# Altium PCB braking_io.PcbDoc (part 3 of 4)
Units mil, origin at the board's own origin, x right, y up, seen from the top; angles counter-clockwise.
Board outline 6000 x 3840 mil, 4 copper layers (Top Layer, GND, PWR, Bottom Layer), stack 61.7 mil thick; 450 components, 207 nets, 1137 pads, 398 vias.
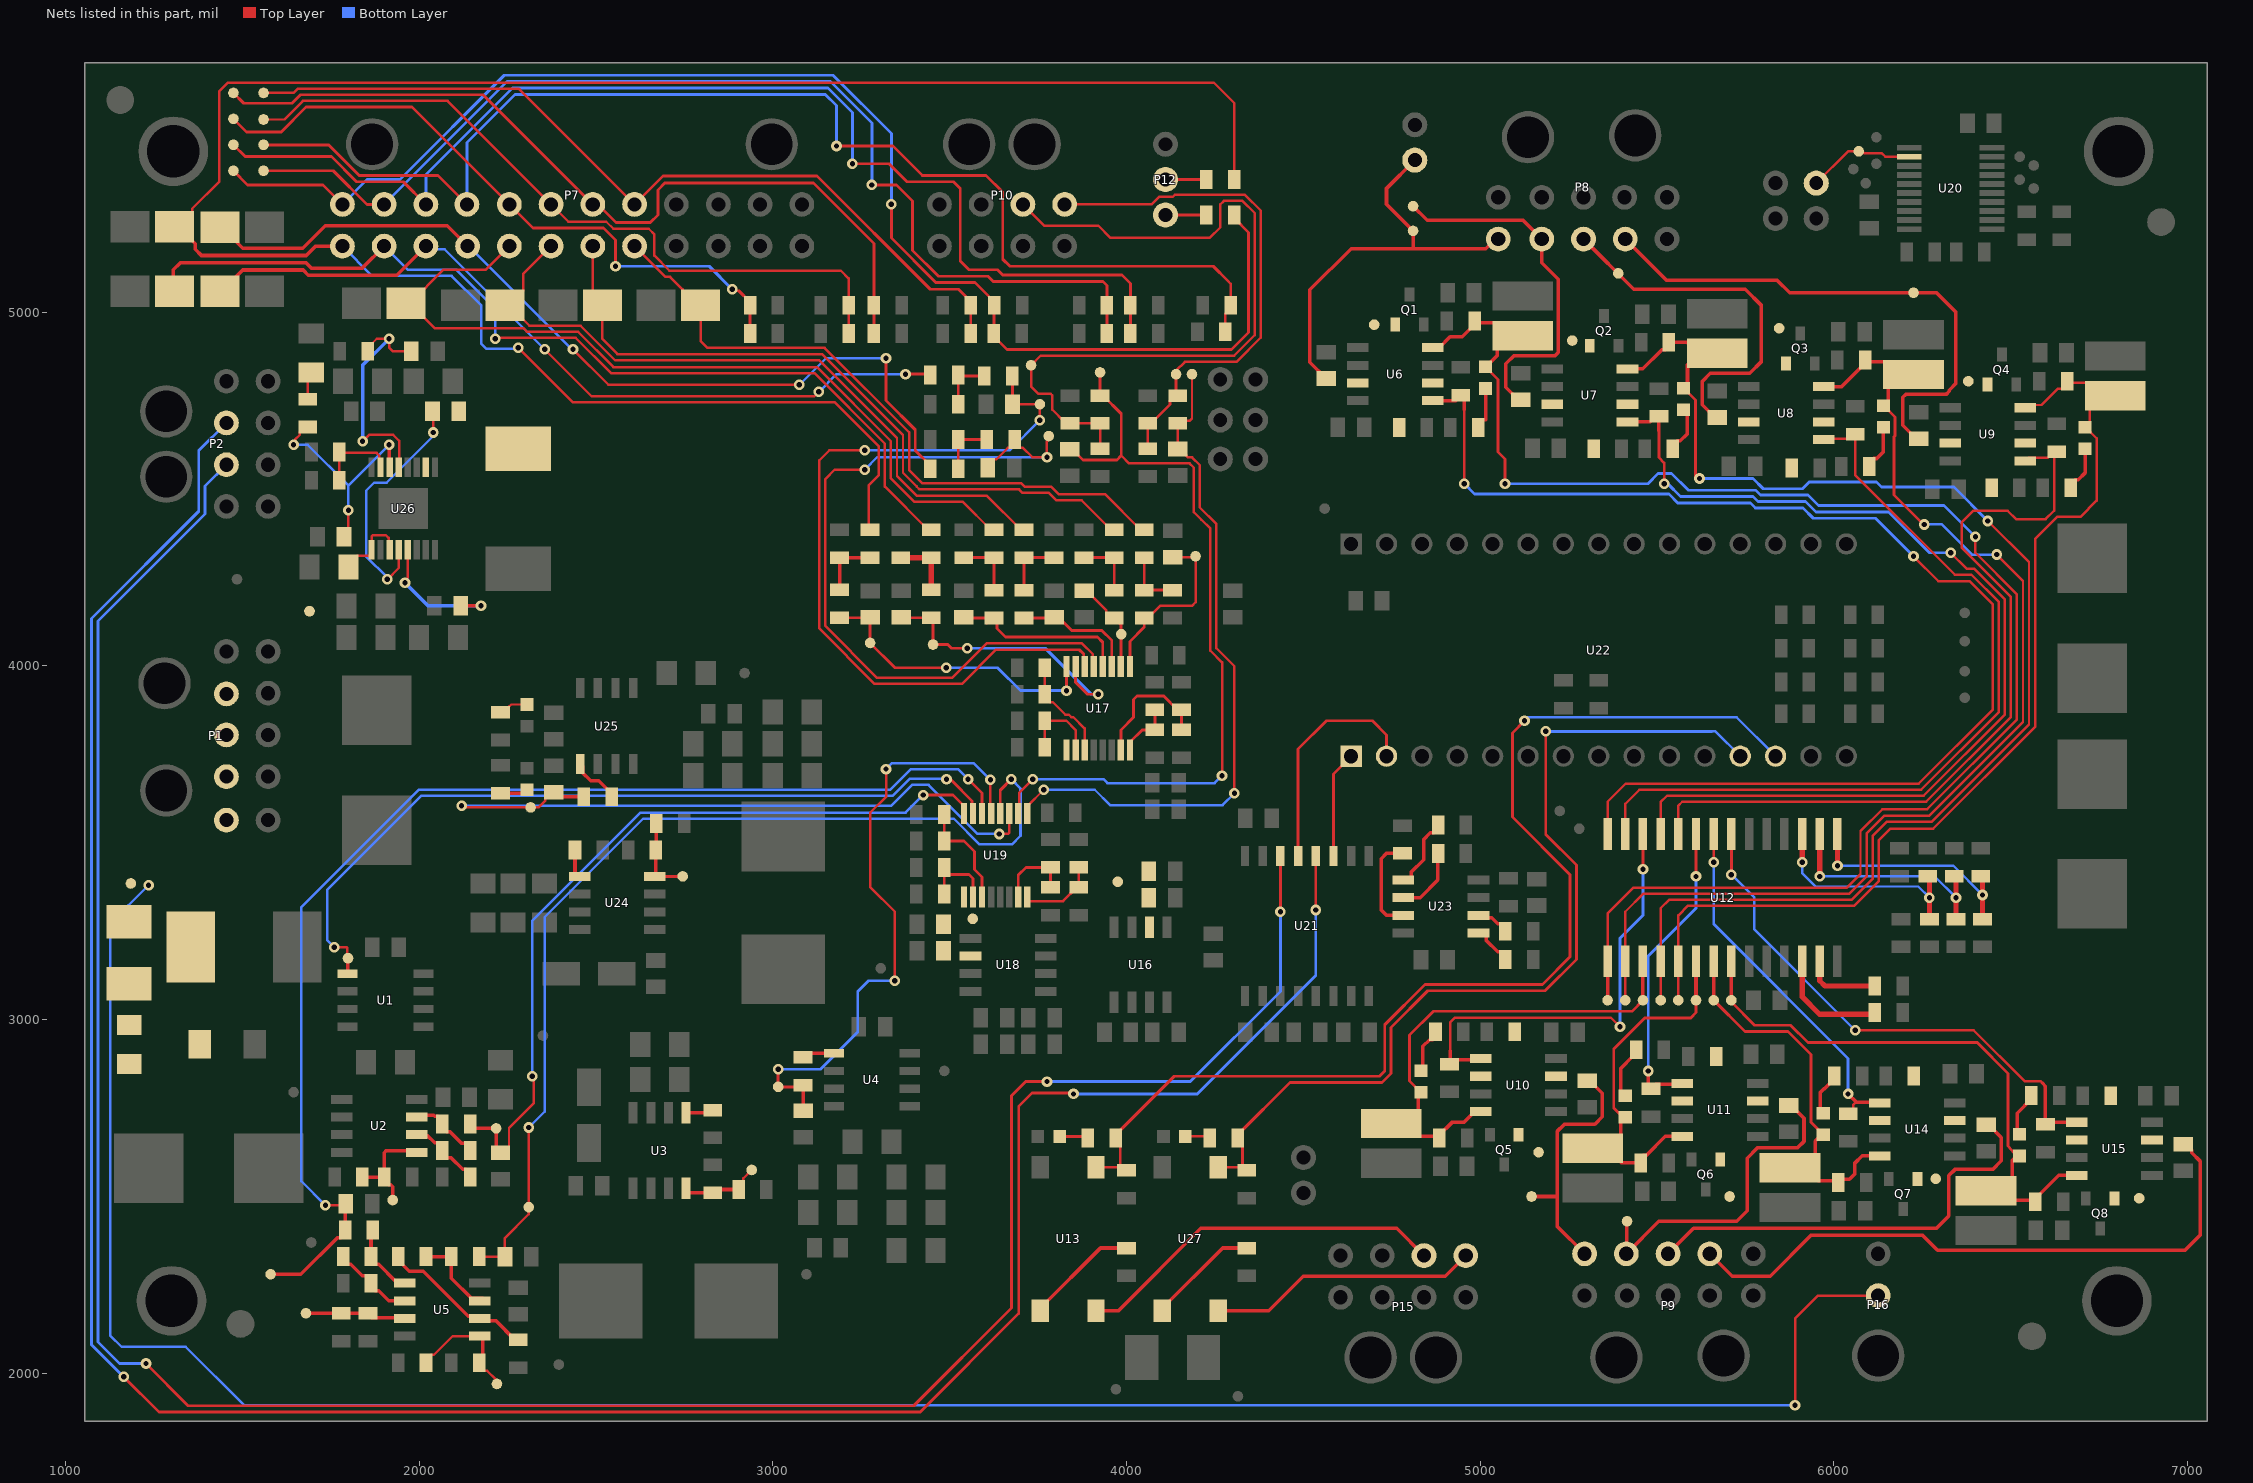
[diagram p5: the nets of this part, all layers, seen from the top]

## Via types
v1: diameter 30, hole 15, Top Layer to Bottom Layer, 398 vias

## Nets (pads, with @x,y where several pads share a name; then routed paths per layer and width w, separated by ;. In a path a pad name is that pad's centre, name@x,y a point inside that pad or via, vN(x,y) a via of type N, cw(c..) or ccw(c..) an arc to the next point about the centre after c; other vN are vias at no path point) (continued)
NetC95_2: C95.2 U26.13 | length 396.6
  Top Layer w7: v1(1960,4235) 1960,4241.22 1967.8,4249.02 U26.13@1967.8,4328.86
  Top Layer w10: C95.2@2117.4,4170 v1(2175,4170)
  Bottom Layer w10: v1(1960,4235) 2025,4170 v1(2175,4170)
NetC96_1: C96.1 L5.2 U26.2
NetC96_2: C96.2 U26.12 | length 697.4
  Top Layer w7: v1(1910,4245) 1942.2,4277.2 U26.12@1942.2,4328.86 ; C96.2@2037.6,4720 2040,4717.6 v1(2040,4660)
  Bottom Layer w7: v1(1910,4245) 1910,4250 1850,4310 1850,4495.31 1873.19,4518.5 1908.5,4518.5 2040,4650 v1(2040,4660)
NetC104_1: C104.1 R159.2 U26.5 | length 687.7
  Top Layer w7: v1(1840,4635) 1858.5,4653.5 1926.81,4653.5 1943.5,4636.81 1943.5,4562.44 U26.5@1942.2,4561.14 ; R159.2@1854.37,4890 1854.37,4899.37 1880,4925 v1(1915,4925) 1915,4900 1925,4890 C104.1@1977.6,4890
  Bottom Layer w10: v1(1840,4635) 1840,4850 v1(1915,4925)
NetC105_1: C105.1 R160.1 | length 79.7
  Top Layer w7: R160.1@1685,4754.37 1685,4819.88 C105.1@1695,4829.88
NetC106_1: C106.1 R160.2 U26.6 | length 652.1
  Top Layer w7: v1(1645,4625) 1649.4,4629.4 1649.4,4640.03 1662.43,4653.06 1662.43,4661.41 1676.65,4675.63 R160.2@1685,4675.63 ; C106.1@1787.4,4365 1800,4377.6 v1(1800,4440)
  Top Layer w10: v1(1915,4625) 1915.81,4624.19 1915.81,4561.95 U26.6@1916.61,4561.14
  Bottom Layer w7: v1(1645,4625) 1685,4625 1800,4510 ; v1(1800,4440) 1800,4510 ; v1(1915,4625) 1800,4510
NetC107_1: C107.1 U26.9 U26.11 | length 236.3
  Top Layer w7: C107.1@1807.92,4287.8 C107.1@1800.12,4280 1800.12,4286.89 1825.16,4311.93 1860.07,4311.93 1865.43,4317.29 U26.9@1865.43,4328.86 1865.43,4365.82 1869.53,4369.92 1905.47,4369.92 1913.38,4362.01 1913.38,4332.09 U26.11@1916.61,4328.86 U26.11@1913.38,4325.63
NetF1_2: F1.2 L2.1 R1.1
NetL1_1: L1.1 R1.2
NetLED1_1: LED1.1 R11.1 | length 78.7
  Top Layer w10: R11.1@2230,3640.63 2296.14,3640.63 LED1.1@2305,3649.49
NetLED2_2: LED2.2 R25.2 | length 123.6
  Top Layer w10: R25.2@4994.37,4675 4994.37,4683.86 5007.09,4696.57 5015.94,4696.57 LED2.2@5015.94,4784.49
NetLED3_2: LED3.2 R26.2 | length 131.5
  Top Layer w10: R26.2@5544.37,4615 5544.37,4623.86 5557.09,4636.57 5565.94,4636.57 5585,4655.63 LED3.2@5585,4724.49
NetLED4_2: LED4.2 R32.2 | length 131.5
  Top Layer w10: R32.2@6099.37,4565 6099.37,4573.86 6112.09,4586.57 6120.94,4586.57 6140,4605.63 LED4.2@6140,4674.49
NetLED5_2: LED5.2 R34.2 | length 131.5
  Top Layer w10: R34.2@6669.37,4505 6669.37,4513.86 6682.09,4526.57 6690.94,4526.57 6710,4545.63 LED5.2@6710,4614.49
NetLED6_2: LED6.2 R41.2 | length 131.5
  Top Layer w10: LED6.2@4837.83,2855.51 4837.83,2924.37 4856.89,2943.43 4865.75,2943.43 4878.46,2956.14 R41.2@4878.46,2965
NetLED7_2: LED7.2 R42.2 | length 131.3
  Top Layer w10: LED7.2@5397.83,2785.51 5397.83,2862.83 5430,2895 R42.2@5438.46,2895
NetLED8_2: LED8.2 R59.2 | length 126.3
  Top Layer w10: LED8.2@6517.83,2675.51 6517.83,2735.51 6558.46,2776.14 R59.2@6558.46,2785
NetLED9_2: LED9.2 R60.2 | length 127.4
  Top Layer w10: LED9.2@5960.67,2730.51 5960.67,2793.34 5972.59,2805.27 5974.44,2805.27 6001.3,2832.13 R60.2@6001.3,2840
NetLED10_1: LED10.1 R150.1 | length 87.6
  Top Layer w7: R150.1@2234.43,3864.94 R150.1@2253.07,3883.59 ; R150.1@2253.07,3883.59 2260.51,3891.02 LED10.1@2305,3891.02
  Top Layer w10: R150.1@2234.43,3864.94 R150.1@2238.86,3860.51
NetLED11_2: LED11.2 R167.2 | length 72
  Top Layer w7: LED11.2@4165.51,2670 4231.2,2670 R167.2@4235.63,2665.57
NetLED_2: LED.2 R164.2 | length 82
  Top Layer w8: LED.2@3810.51,2670 3886.2,2670 R164.2@3890.63,2665.57
NetP12_1: P12.1 R101.1 | length 115.6
  Top Layer w8: P12.1@4110,5275 R101.1@4225.63,5275
NetP12_2: P12.2 R102.1 | length 115.6
  Top Layer w8: P12.2@4110,5375 R102.1@4225.63,5375
NetQ1_1: Q1.1 R23.1 TP26.1 U6.6
NetQ2_1: Q2.1 R24.1 TP27.1 U7.6
NetQ3_1: Q3.1 R31.1 TP32.1 U8.6
NetQ4_1: Q4.1 R33.1 TP33.1 U9.6
NetQ5_1: Q5.1 R39.1 TP38.1 U10.6
NetQ6_1: Q6.1 R40.1 TP39.1 U11.6
NetQ7_1: Q7.1 R57.1 TP44.1 U14.6
NetQ8_1: Q8.1 R58.1 TP45.1 U15.6
NetR3_1: R3.1 R7.2 U2.2IN- | length 225
  Top Layer w10: U2.2IN-@1986.3,2680 1993.89,2672.41 2023.22,2672.41 2044.06,2651.57 2052.91,2651.57 2065.63,2638.86 R3.1@2065.63,2630 2065.63,2621.83 2078.35,2609.12 2090.25,2609.12 2122.8,2576.57 2131.65,2576.57 2144.37,2563.86 R7.2@2144.37,2555
NetR3_2: R3.2 R5.1 U2.20UT | length 214.7
  Top Layer w10: U2.20UT@1986.3,2730 2040.63,2730 2044.06,2726.57 2052.91,2726.57 2065.63,2713.86 R5.1@2065.63,2705 2065.63,2696.14 2078.35,2683.43 2087.2,2683.43 2119.75,2650.88 2131.65,2650.88 2144.37,2638.17 R3.2@2144.37,2630
NetR4_2: R4.2 R6.2 TP15.1 U2.2IN+ | length 296.1
  Top Layer w10: R4.2@1839.65,2555 R6.2@1901.26,2555 ; TP15.1@1925,2490 1925,2527.57 1919.14,2533.43 1913.98,2533.43 1901.26,2546.14 R6.2@1901.26,2555 ; U2.2IN+@1986.3,2630 1907.12,2630 1901.26,2624.14 R6.2@1901.26,2555
NetR9_2: R9.2 U3.5 | length 78.3
  Top Layer w10: U3.5@2755,2736.3 2821.93,2736.3 R9.2@2830,2744.37
NetR10_1: R10.1 R12.2 TP20.1 U3.4 | length 230.5
  Top Layer w7: R10.1@2903.13,2519.76 2916.52,2533.15 2916.52,2551.52 TP20.1@2940,2575
  Top Layer w10: U3.4@2755,2523.7 2755,2518.7 2762.8,2510.91 R12.2@2830,2510.91 2838.86,2519.76 R10.1@2903.13,2519.76
NetR13_1: R13.1 U4.5 | length 90.6
  Top Layer w10: R13.1@3086.5,2894.37 3097.13,2905 U4.5@3172.72,2905
NetR14_1: R14.1 R18.2 U5.1IN- | length 247.6
  Top Layer w10: R14.1@1785.12,2330 1785.12,2321.14 1797.83,2308.43 1806.69,2308.43 1839.24,2275.88 1851.14,2275.88 1863.86,2263.17 R18.2@1863.86,2255 1863.86,2246.14 1876.57,2233.43 1885.43,2233.43 1913.86,2205 U5.1IN-@1958.7,2205 U5.1IN-@1963.7,2210
NetR14_2: R14.2 R16.1 U5.OUT | length 223.4
  Top Layer w10: R16.1@1869.37,2405 1863.86,2399.49 R14.2@1863.86,2330 1863.86,2321.14 1876.57,2308.43 1885.43,2308.43 1934.05,2259.81 1968.89,2259.81 U5.OUT@1973.7,2255
NetR15_1: R15.1 R17.2 TP23.1 U5.1IN+ | length 299.9
  Top Layer w10: TP23.1@1680,2170 1779.37,2170 R15.1@1780,2169.37 R17.2@1855,2169.37 1867.72,2156.65 1943.35,2156.65 1945,2155 U5.1IN+@1958.7,2155 U5.1IN+@1973.7,2155
NetR44_1: R44.1 R50.2 U12.17 | length 627.5
  Top Layer w12: U12.17@5910,3480 U12.17@5910,3525
  Top Layer w15: v1(5910,3445) U12.17@5910,3480 ; R44.1@6265,3410.63 6270,3405.63 v1(6270,3345) R50.2@6270,3284.37
  Bottom Layer w7: v1(5910,3445) 5910,3414.7 5948.19,3376.5 6238.5,3376.5 v1(6270,3345)
NetR45_1: R45.1 R51.2 U12.16 | length 658.2
  Top Layer w12: U12.16@5960,3480 U12.16@5960,3525
  Top Layer w15: v1(5960,3405) U12.16@5960,3480 ; R45.1@6340,3410.63 6345,3405.63 v1(6345,3345) R51.2@6345,3284.37
  Bottom Layer w7: v1(5960,3405) 6285,3405 v1(6345,3345)
NetR46_1: R46.1 R52.2 U12.15 | length 662.5
  Top Layer w12: U12.15@6010,3480 U12.15@6010,3525
  Top Layer w15: v1(6010,3435) U12.15@6010,3480 ; R46.1@6415,3410.63 6420,3405.63 v1(6420,3352.5) R52.2@6420,3284.37
  Bottom Layer w7: v1(6010,3435) 6337.5,3435 v1(6420,3352.5)
NetR47_2: R47.2 U12.12 | length 338.4
  Top Layer w12: U12.12@5910,3120 U12.12@5910,3165
  Top Layer w15: U12.12@5910,3120 5910,3065 5960,3015 6120.63,3015 R47.2@6115.63,3020
NetR48_2: R48.2 U12.13 | length 256.6
  Top Layer w15: U12.13@5960,3165 U12.13@5960,3150 ; R48.2@6115.63,3095 5975,3095 5960,3110 U12.13@5960,3132 ; U12.13@5960,3132 5964.5,3127.5 5964.5,3154.5 U12.13@5960,3150 ; U12.13@5960,3132 U12.13@5960,3150
NetR69_1: R69.1 R73.1 R77.2 | length 177.7
  Top Layer w10: R73.1@3188.57,4215 R77.2@3188.57,4306.26 R69.1@3275,4306.26
NetR70_1: R70.1 R74.1 R78.2 | length 177.7
  Top Layer w15: R78.2@3361.43,4306.26 R70.1@3447.86,4306.26 R74.1@3447.86,4215
NetR71_1: R71.1 R75.1 R79.2 | length 157.5
  Top Layer w8: R79.2@3524.37,4740 R71.1@3524.37,4822.6 3526.97,4820 R75.1@3598.23,4820
NetR72_1: R72.1 R76.1 R80.2 | length 163
  Top Layer w8: R72.1@3524.37,4557.6 R80.2@3524.37,4640 R76.1@3605,4640
NetR89_1: R89.1 R93.1 R97.2 | length 176.9
  Top Layer w8: R97.2@3540,4306.26 R89.1@3625,4306.26 R93.1@3625,4214.37
NetR90_1: R90.1 R94.1 R98.2 | length 176.9
  Top Layer w8: R94.1@3710,4214.37 R90.1@3710,4306.26 R98.2@3795,4306.26
NetR91_1: R91.1 R95.1 R99.2 | length 176.9
  Top Layer w8: R99.2@3880,4306.26 R91.1@3965,4306.26 R95.1@3965,4214.37
NetR92_1: R92.1 R96.1 R100.2 | length 171.9
  Top Layer w8: R92.1@4050,4306.26 R96.1@4050,4214.37 R100.2@4130,4214.37
NetR108_1: R108.1 R112.1 U17.2 | length 229.5
  Top Layer w7: R112.1@3769.37,3770 R108.1@3769.37,3845 3830,3845 3856.02,3818.98 U17.2@3856.02,3761.89
NetR109_1: R109.1 R113.1 U17.3 | length 293.7
  Top Layer w7: R113.1@3769.37,3995 R109.1@3769.37,3920 3769.37,3911.65 3783.59,3897.43 3791.94,3897.43 3827.37,3862 3837.04,3862 3844.04,3855 3850,3855 3881.61,3823.39 U17.3@3881.61,3761.89
NetR110_1: R110.1 R114.2 U17.7 | length 369.7
  Top Layer w8: U17.7@3983.98,3761.89 3983.98,3818.98 4020,3855 4020,3905 4030,3915 4105,3915 4144.37,3875.63 R110.1@4155,3875.63 R114.2@4155,3819.37
NetR111_1: R111.1 R115.2 U17.8 | length 163.8
  Top Layer w8: U17.8@4009.57,3761.89 4009.57,3784.57 4044.37,3819.37 R115.2@4080,3819.37 R111.1@4080,3875.63
NetR117_1: R117.1 R121.1 U19.2 | length 221
  Top Layer w8: R121.1@3484.37,3355 R117.1@3484.37,3428.54 ; R117.1@3484.37,3430 R117.1@3484.37,3428.54 ; U19.2@3566.02,3346.89 3566.02,3398.98 3554.17,3410.83 3502.09,3410.83 R117.1@3484.37,3428.54
NetR118_1: R118.1 R122.1 U19.3 | length 310.1
  Top Layer w8: R122.1@3484.37,3580 R118.1@3484.37,3505 3540,3505 3570,3475 3570,3425 3591.61,3403.39 U19.3@3591.61,3346.89
NetR119_1: R119.1 R123.2 U19.7 | length 218.3
  Top Layer w8: U19.7@3693.98,3346.89 3693.98,3408.98 3715.63,3430.63 R123.2@3785,3430.63 R119.1@3785,3374.37
NetR120_1: R120.1 R124.2 U19.8 | length 229.9
  Top Layer w7: R120.1@3865,3374.37 R124.2@3865,3430.63
  Top Layer w8: U19.8@3719.57,3346.89 3719.57,3335 3820,3335 3859.37,3374.37 R120.1@3865,3374.37
NetR137_1: R137.1 U23.1 | length 209.2
  Top Layer w10: U23.1@4782.4,3395 4796.54,3395 4804.34,3402.8 4804.34,3416.94 4840,3452.6 4840,3509.37 4859.06,3528.43 4867.91,3528.43 4880.63,3541.14 R137.1@4880.63,3550
NetR138_1: R138.1 U23.2 | length 193.6
  Top Layer w10: U23.2@4782.4,3345 4830,3345 4880,3395 4880,3469.37 R138.1@4880.63,3470
NetR139_1: R139.1 U23.3 | length 279.8
  Top Layer w10: R139.1@4780,3470 4735,3470 4720,3455 4720,3310 4735,3295 U23.3@4782.4,3295
NetR140_2: R140.2 U23.6 | length 99.5
  Top Layer w10: U23.6@4995,3295 5001.95,3288.05 5032.58,3288.05 5049.06,3271.57 5057.91,3271.57 5070.63,3258.86 R140.2@5070.63,3250
NetR141_2: R141.2 U23.5 | length 120.2
  Top Layer w10: U23.5@4995,3245 5009.77,3245 5017.57,3237.2 5017.57,3223.06 5049.06,3191.57 5057.91,3191.57 5070.63,3178.86 R141.2@5070.63,3170
NetR148_2: R148.2 U24.5 | length 88
  Top Layer w10: R148.2@2440.63,3480 2440.63,3405 U24.5@2453.62,3405
NetR149_1: R149.1 R151.2 TP90.1 U24.4 | length 230.6
  Top Layer w8: U24.4@2666.22,3405 TP90.1@2745,3405
  Top Layer w10: U24.4@2666.22,3405 2669.37,3408.15 R151.2@2669.37,3480 2670.63,3481.26 R149.1@2670.63,3555
NetR152_1: R152.1 U25.5 | length 143.3
  Top Layer w10: U25.5@2455,3722.72 2461.81,3715.91 2461.81,3698.19 2485,3675 2508.23,3675 2544.37,3638.86 R152.1@2544.37,3630
NetR153_1: R153.1 R157.2 U5.2IN- | length 443.2
  Top Layer w10: R153.1@1940.63,2330 1940.63,2319.37 1971.57,2288.43 2011.57,2288.43 2138.39,2161.61 2179.69,2161.61 2192.02,2149.28 2216.24,2149.28 2271.14,2094.37 R157.2@2280,2094.37
NetR153_2: R153.2 R155.1 U5.2OUT | length 254.2
  Top Layer w10: R153.2@2019.37,2330 R155.1@2090.63,2330 2090.63,2269.37 2148.39,2211.61 2179.69,2211.61 U5.2OUT@2186.3,2205
NetR154_1: R154.1 R156.2 TP93.1 U5.2IN+ | length 372.4
  Top Layer w7: R156.2@2019.37,2030 2019.37,2038.35 2033.59,2052.57 2041.94,2052.57 2094.37,2105 U5.2IN+@2171.3,2105 U5.2IN+@2186.3,2105 ; R154.1@2170,2029.37 R154.1@2169.37,2030 2169.37,2021.65 2183.59,2007.43 2191.94,2007.43 2215.6,1983.77 2215.6,1974.4 TP93.1@2220,1970
  Top Layer w10: R154.1@2180,2024.88 2180,2098.7 U5.2IN+@2186.3,2105
NetR158_1: R158.1 R161.2 U26.7 | length 232.3
  Top Layer w7: R161.2@1774.37,4525 R158.1@1774.37,4605 1777.17,4602.2 1879.88,4602.2 1887.79,4594.29 1887.79,4564.37 U26.7@1891.02,4561.14
NetR162_2: R162.2 U13.1 | length 309.3
  Top Layer w10: U13.1@3756.26,2184.13 3926.5,2354.37 R162.2@3995,2354.37
NetR165_2: R165.2 U27.1 | length 316.1
  Top Layer w10: U27.1@4101.26,2177.24 4101.26,2184.13 4271.5,2354.37 R165.2@4340,2354.37
PS_EXC_0: P7.1 R61.1 R62.1 R101.2 TP46.1 | length 3979.9
  Top Layer w8: TP46.1@1475,5400 1515,5360 1728,5360 P7.1@1783,5305 ; v1(3335,5305) 3335,5209.54 3460.54,5084 3571.12,5084 3626.26,5028.86 R61.1@3626.26,5020 ; R62.1@3625,4940 3625,4931.14 3661.72,4894.43 4296.59,4894.43 4345,4942.83 4345,5225.51 4304.37,5266.14 R101.2@4304.37,5275 ; R62.1@3625.63,4942.77 R61.1@3625.63,5020
  Bottom Layer w8: P7.1@1783,5305 1853,5375 1945.54,5375 2240.54,5670 3170.46,5670 3335,5505.46 v1(3335,5305)
PS_EXC_1: P7.2 R63.1 R64.1 TP47.1 | length 3126.3
  Top Layer w8: TP47.1@1560,5400 1757.3,5400 1852.3,5305 P7.2@1901,5305 ; v1(3280,5360) 3350,5360 3395,5315 3395,5175 3468,5102 3608,5102 3623,5087 3933,5087 3944.37,5075.63 R63.1@3944.37,5020 R64.1@3944.37,4940
  Bottom Layer w8: P7.2@1901,5305 2248,5652 3163,5652 3280,5535 v1(3280,5360)
PS_EXC_2: P7.3 R65.1 R66.1 TP48.1 | length 3365.6
  Top Layer w8: TP48.1@1475,5473.33 1508.33,5440 1752.09,5440 1823.09,5369 1955,5369 P7.3@2019,5305 ; v1(3225,5420) 3328.12,5420 3379.12,5369 3511,5369 3530,5350 3530,5145 3555,5120 3635,5120 3650,5105 3987.26,5105 4011.26,5081 R66.1@4011.26,4940.71
  Bottom Layer w8: P7.3@2019,5305 2019,5389 2264,5634 3155.54,5634 3225,5564.54 v1(3225,5420)
PS_EXC_3: P7.4 R67.1 R68.1 TP49.1 | length 3576.9
  Top Layer w7: R68.1@4279.37,4945 4279.37,4996.14 4294.37,5011.14 R67.1@4294.37,5020 4294.37,5080.63 4285,5090
  Top Layer w8: TP49.1@1560,5473.33 1744.22,5473.33 1830.55,5387 2053,5387 P7.4@2135,5305 ; v1(3180,5470) 3339.62,5470 3422.62,5387 3603,5387 3650,5340 3650,5150 3670,5130 4245,5130 4285,5090
  Bottom Layer w8: P7.4@2135,5305 2135,5479.54 2271.46,5616 3148.09,5616 3180,5584.09 v1(3180,5470)
PS_EXC_4: P7.5 R81.1 R82.1 TP54.1 | length 1865.6
  Top Layer w8: TP54.1@1475,5546.67 1511.67,5510 1610,5510 1680,5580 1980,5580 P7.5@2255,5305 2322,5238 2521.54,5238 2555,5204.54 v1(2555,5130) ; v1(2885,5065) 2889.21,5060.79 2903.7,5060.79 2935.63,5028.86 R81.1@2935.63,5020 R82.1@2935.63,4940
  Bottom Layer w8: v1(2555,5130) 2820,5130 v1(2885,5065)
PS_EXC_5: P7.6 R83.1 R84.1 TP55.1 | length 2074.8
  Top Layer w7: TP55.1@1560,5545 1619,5545 1671.5,5597.5 2080.5,5597.5 P7.6@2373,5305 2422,5256 2529,5256 2549,5236 2649,5236 2665,5220 2665,5160 2707,5118 3192,5118 3214.37,5095.63 R83.1@3214.37,5020 R84.1@3214.37,4940
PS_EXC_6: P7.7 R85.1 R86.1 TP56.1 | length 2394.9
  Top Layer w8: TP56.1@1475,5620 1504,5591 1640.25,5591 1664.25,5615 2181,5615 P7.7@2491,5305 2505.46,5305 2556.96,5253.5 2653.5,5253.5 2675,5275 2675,5345.54 2694.46,5365 3115,5365 3285.63,5194.37 R85.1@3285.63,5020 R86.1@3285.63,4940
PS_EXC_7: P7.8 R87.1 R88.1 TP57.1 | length 2410.8
  Top Layer w7: TP57.1@1560,5620 1644.5,5620 1657,5632.5 2281.5,5632.5 2284,5630
  Top Layer w8: 2284,5630 P7.8@2609,5305 2689,5385 3125,5385 3445,5065 3525,5065 3559.37,5030.63 R87.1@3559.37,5020 R88.1@3559.37,4940
PS_RTN_0: D10.2 P7.13 R69.2 R102.2 | length 6146.7
  Top Layer w7: D10.2@1307.99,5242.4 1317.23,5242.4 1358.22,5283.39 1358.22,5292.63 1435,5369.41 1435,5625.25 1459.25,5649.5 4246.46,5649.5 4304.37,5591.59 R102.2@4304.37,5375 ; v1(2280,4900) 2435,4745 3175.55,4745 3300,4620.55 3300,4540 3270.57,4510.57 R69.2@3270.57,4385
  Top Layer w10: D10.2@1317.23,5242.4 1318.62,5242.4 1366.89,5194.13 1366.89,5178.11 1384.49,5160.51 1680.51,5160.51 1707,5187 P7.13@1783,5187
  Bottom Layer w7: P7.13@1783,5187 1867,5103 2092,5103 2175,5020 2175,4911.5 2190,4896.5 2276.5,4896.5 v1(2280,4900)
PS_RTN_1: D11.2 P7.14 R70.2 | length 2715.4
  Top Layer w7: v1(2215,4925) 2218.5,4928.5 2297.04,4928.5 2297.53,4928.01 2442.29,4928.01 2542.38,4827.93 3117.38,4827.93 3317,4628.31 3317,4507 3439,4385 R70.2@3447.86,4385
  Top Layer w10: D11.2@1307.99,5060 1318.62,5060 1313.31,5065.31 1305,5073.62 1305,5120 1324.49,5139.49 1680.51,5139.49 1695,5125 1839,5125 P7.14@1901,5187
  Bottom Layer w7: P7.14@1901,5187 1968,5120 2105.96,5120 2215,5010.96 v1(2215,4925)
PS_RTN_2: D12.2 P7.15 R71.2 | length 2281.7
  Top Layer w7: v1(2355,4895) 2488,4762 3117,4762 v1(3130,4775)
  Top Layer w8: v1(3375,4825) 3438.03,4825 3443.03,4820 R71.2@3445.63,4822.6
  Top Layer w10: D12.2@1437.01,5060 1447.64,5060 1465,5077.36 1465,5082.83 1501.66,5119.49 1672.23,5119.49 1686.72,5105 1937,5105 P7.15@2019,5187
  Bottom Layer w7: P7.15@2019,5187 2027.95,5178.05 2071.95,5178.05 v1(2355,4895) ; v1(3130,4775) 3180,4825 v1(3375,4825)
PS_RTN_3: D13.2 P7.16 R72.2 | length 2519.4
  Top Layer w7: v1(2435,4895) 2535,4795 v1(3075,4795)
  Top Layer w8: v1(3320,4870) 3320,4750.46 3402.5,4667.96 3402.5,4609.59 3445.63,4566.46 R72.2@3445.63,4557.6
  Top Layer w10: D13.2@1437.01,5240 1447.64,5240 1465,5222.64 1465,5217.17 1501.66,5180.51 1670.51,5180.51 1735,5245 2079,5245 P7.16@2137,5187
  Bottom Layer w7: P7.16@2137,5187 2140,5187 2432,4895 v1(2435,4895) ; v1(3075,4795) 3150,4870 v1(3320,4870)
PS_RTN_4: D14.2 P7.17 R89.2 | length 2337.2
  Top Layer w7: D14.2@1962.99,5025 D14.2@1973.62,5025 ; P7.17@2255,5187 2188.47,5120.47 2069.09,5120.47 D14.2@1973.62,5025 ; R89.2@3625,4385 3616.14,4385 3537.12,4464.02 3400.16,4464.02 3334,4530.18 3334,4635.35 3124.42,4844.93 2549.42,4844.93 2449.33,4945.01 2304.57,4945.01 2294.58,4955 2043.62,4955 D14.2@1973.62,5025
PS_RTN_5: D15.2 P7.18 R90.2 | length 2009.3
  Top Layer w7: D15.2@2242.99,5020 D15.2@2253.62,5020 ; P7.18@2373,5187 2294.11,5108.11 2294.11,5060.49 D15.2@2253.62,5020 ; R90.2@3710,4385 3701.14,4385 3605.12,4481.02 3407.2,4481.02 3351,4537.23 3351,4644.5 3131.58,4863.93 2554.46,4863.93 2456.38,4962.01 2311.61,4962.01 D15.2@2253.62,5020
PS_RTN_6: D16.2 P7.19 R91.2 | length 2007
  Top Layer w7: P7.19@2491,5187 2491,5046.99 D16.2@2517.99,5020 2517.99,4924.44 2560.5,4881.93 3139.03,4881.93 3368,4652.96 3368,4546.39 3406.94,4507.45 3406.94,4506.75 3414.66,4499.02 3695.98,4499.02 3705.5,4489.5 3780.5,4489.5 3802.07,4467.93 3873.21,4467.93 3956.14,4385 R91.2@3965,4385
PS_RTN_7: D17.2 P7.20 R92.2 | length 1897.2
  Top Layer w7: P7.20@2609,5187 2696,5100 2709.41,5100 2744.87,5064.54 2744.87,5060.49 2785.35,5020 D17.2@2795.98,5020 2795.98,4919.02 2815.57,4899.43 3146.28,4899.43 3385,4660.71 3385,4554.14 3422.11,4517.02 3702.02,4517.02 3712.54,4506.5 3787.54,4506.5 3808.11,4485.93 3939.07,4485.93 4040,4385 R92.2@4050,4385
RETRO_SIG0: P15.6 U13.2 | length 1055.6
  Top Layer w10: U13.2@3913.74,2177.24 3977.24,2177.24 4210,2410 4764,2410 P15.6@4841,2333
RETRO_SIG1: P15.5 U27.2 | length 764.8
  Top Layer w10: U27.2@4258.74,2177.24 4402.24,2177.24 4500,2275 4901,2275 P15.5@4959,2333
SOL_DRV_0: C21.2 P8.6 P11.1 TP28.1 U6.3 | length 1176.4
  Top Layer w10: C21.2@4565,4812.6 4518.43,4859.17 4518.43,5063.43 4635,5180 4810,5180 ; P11.1@4815,5430 4735,5350 4735,5305 TP28.1@4810,5230 4810,5180 ; P8.6@5051,5207 5042.57,5207 5015.57,5180 4810,5180
SOL_DRV_1: C27.2 P8.8 TP34.1 U8.3 | length 1053.6
  Top Layer w10: P8.8@5292,5207 5434,5065 5749.28,5065 5795,5019.28 5795,4860.72 5761.84,4827.56 5650.72,4827.56 5627.44,4804.28 5627.44,4738.27 5663.11,4702.6 C27.2@5670,4702.6
SOL_DRV_2: C33.2 P9.10 TP40.1 U10.3 | length 718.7
  Top Layer w10: TP40.1@5145,2500 5215,2500 ; P9.10@5295,2338 5217.2,2415.8 5217.2,2497.8 5215,2500 ; C33.2@5302.83,2827.4 5309.72,2827.4 5345.39,2791.73 5345.39,2725.72 5324.36,2704.68 5238.24,2704.68 5217.2,2683.65 5217.2,2502.2 5215,2500
SOL_DRV_3: C22.2 P8.7 TP29.1 U7.3 | length 1027.3
  Top Layer w10: TP29.1@4810,5300 4850,5260 5121,5260 P8.7@5174,5207 5174,5140.28 5220.63,5093.65 5220.63,4886.35 5211.84,4877.56 5095.72,4877.56 5072.44,4854.28 5072.44,4788.27 5108.11,4752.6 C22.2@5115,4752.6
SOL_DRV_4: C28.2 P8.9 TP35.1 U9.3 | length 1529.9
  Top Layer w10: P8.9@5410,5207 5527,5090 5840,5090 5875,5055 TP35.1@6225,5055 6290,5055 6345,5000 6345,4799.37 6325.63,4780 6325.63,4776.35 6316.84,4767.56 6202.56,4767.56 6195,4760 6195,4680.71 6233.11,4642.6 C28.2@6240,4642.6
SOL_DRV_5: C34.2 P9.9 TP41.1 U11.3 | length 935.8
  Top Layer w10: P9.9@5413,2338 P9.9@5414,2339 ; TP41.1@5415,2430 5414,2429 P9.9@5414,2339 ; C34.2@5872.83,2757.4 5879.72,2757.4 5915.39,2721.73 5915.39,2655.72 5897.12,2637.44 5783.83,2637.44 5755,2608.61 5755,2460 5725,2430 5505,2430 P9.9@5414,2339
SOL_DRV_6: C41.2 P9.8 U14.3 | length 1241.3
  Top Layer w10: P9.8@5531,2338 5603,2410 6290,2410 6325,2445 6325,2559.28 6342.13,2576.42 6448.93,2576.42 6473.23,2600.72 6473.23,2666.73 6437.56,2702.4 C41.2@6430.67,2702.4
SOL_DRV_7: C42.2 P9.7 U15.3 | length 1775.9
  Top Layer w10: P9.7@5649,2338 5712,2275 5820,2275 5935,2390 6250.43,2390 6292.87,2347.56 6992.56,2347.56 7035,2390 7035,2600.24 7011.89,2623.34 7011.89,2630.23 6994.72,2647.4 C42.2@6987.83,2647.4
SOL_EN_0: D2.2 LED2.1 R21.2 TP24.1 U6.8 U12.1 | length 4415.7
  Top Layer w7: U12.1@5360,3198 5360,3300 5433.58,3373.58 6036.45,3373.58 6075.09,3412.21 6075.09,3533.17 6136.92,3595 6263.6,3595 6517.5,3848.9 6517.5,4202.5 6400,4320 v1(6400,4365)
  Top Layer w8: LED2.1@5015,4845 5050,4810 5050,4605 5070,4585 v1(5070,4515)
  Top Layer w10: U6.8@4866.3,4900 4884.02,4900 4914.63,4930.61 4948.84,4930.61 4984.37,4966.14 R21.2@4984.37,4975 ; R21.2@4989.13,4970.24 5039.37,4970.24 D2.2@5075.71,4933.9 ; LED2.1@5015,4845 5048.7,4878.7 5048.7,4906.89 D2.2@5075.71,4933.9 ; D2.2@5120,4933.9 D2.2@5075.71,4933.9 ; TP24.1@5360,3055 U12.1@5360,3165
  Bottom Layer w8: v1(5070,4515) 5473.99,4515 5502.99,4544 5541,4544 5588,4497 5778.66,4497 5792.66,4483 5927,4483 5956.5,4453.5 6311.5,4453.5 v1(6400,4365)
SOL_EN_1: D4.2 LED4.1 R29.2 TP30.1 U8.8 U12.2 | length 3198.6
  Top Layer w7: TP30.1@5410,3055 U12.2@5410,3165 5410,3305 5461.58,3356.58 6043.5,3356.58 6092.09,3405.17 6092.09,3526.13 6142.96,3577 6269.64,3577 6534.5,3841.86 6534.5,4240.5 v1(6460,4315) ; 6170,4483.44 6253.44,4400 v1(6255,4400)
  Top Layer w8: LED4.1@6140,4735.51 6140.98,4735.51 6172.7,4703.8 6172.7,4650.97 6170,4648.27 6170,4483.44
  Top Layer w10: U8.8@5971.3,4790 6022.24,4790 6089.37,4857.13 R29.2@6089.37,4860.24 ; R29.2@6094.13,4860.24 6144.37,4860.24 D4.2@6180.71,4823.9 ; LED4.1@6140.98,4735.51 6153.7,4748.23 6153.7,4796.89 D4.2@6180.71,4823.9 ; D4.2@6225,4823.9 D4.2@6180.71,4823.9
  Bottom Layer w7: v1(6255,4400) 6305,4400 6390,4315 v1(6460,4315)
SOL_EN_2: D6.2 LED6.1 R37.2 TP36.1 U10.8 U12.3 | length 1352.4
  Top Layer w8: LED6.1@4832.83,2794.49 4831.85,2794.49 4800.13,2826.2 4800.13,2956.74 4866.95,3023.56 5428.56,3023.56 TP36.1@5460,3055
  Top Layer w10: LED6.1@4836.85,2794.49 4824.13,2781.77 4824.13,2733.11 4797.13,2706.1 4797.13,2701.1 4828.46,2669.76 4879.69,2669.76 R37.2@4884.45,2665 4884.45,2673.86 4919.98,2709.39 4953.21,2709.39 4983.82,2740 U10.8@5001.54,2740 ; TP36.1@5460,3055 U12.3@5460,3165
SOL_EN_3: D3.2 LED3.1 R22.2 TP25.1 U7.8 U12.4 | length 3809.1
  Top Layer w7: TP25.1@5510,3055 U12.4@5510,3165 5510,3315 5534.58,3339.58 6050.54,3339.58 6109.09,3398.13 6109.09,3519.09 6150,3560 6276.68,3560 6551.5,3834.82 6551.5,4293.5 v1(6435,4410)
  Top Layer w8: LED3.1@5574.49,4785.51 5608.44,4751.56 5608.44,4531.62 v1@5620.07,4520
  Top Layer w10: U7.8@5416.3,4840 5459.37,4840 5512.8,4893.43 5521.65,4893.43 5534.37,4906.14 5534.37,4915 5584.61,4915 D3.2@5625.71,4873.9 ; LED3.1@5574.49,4785.51 LED3.1@5575,4785.51 5585.98,4785.51 5585.98,4850.98 5608.9,4873.9 D3.2@5625.71,4873.9 ; D3.2@5670,4873.9 D3.2@5625.71,4873.9
  Bottom Layer w8: v1(5620,4530) 5771.12,4530 5800.12,4501 5911,4501 5930,4520 6120,4520 6134,4506 6339,4506 v1(6435,4410)
SOL_EN_4: D5.2 LED5.1 R30.2 TP31.1 U9.8 U12.5 | length 2914.3
  Top Layer w7: TP31.1@5560,3055 U12.5@5560,3165 5560,3295 5587.58,3322.58 6057.58,3322.58 6126.09,3391.09 6126.09,3506.09 6160,3540 6280.72,3540 6568.5,3827.78 6568.5,4359.44 6630.66,4421.6 6696.6,4421.6 6742.7,4467.7 6742.7,4643.8 LED5.1@6710.98,4675.51 ; U9.8@6541.3,4730 6549.09,4737.8 6586.81,4737.8 6632.44,4783.43 6646.65,4783.43 6659.37,4796.14 R30.2@6659.37,4805 ; R30.2@6664.13,4800.24 6714.37,4800.24 D5.2@6750.71,4763.9 ; LED5.1@6710,4675.51 LED5.1@6710.98,4675.51 ; D5.2@6795,4763.9 D5.2@6750.71,4763.9 ; LED5.1@6710.98,4675.51 6723.7,4688.23 6723.7,4736.89 D5.2@6750.71,4763.9
SOL_EN_5: D7.2 LED7.1 R38.2 TP37.1 U11.8 U12.6 | length 1053.7
  Top Layer w8: LED7.1@5402.83,2724.49 5377.3,2750.02 5377.3,2917.3 5465,3005 5595,3005 5610,3020 TP37.1@5610,3055
  Top Layer w10: D7.2@5312.83,2636.1 D7.2@5317.83,2636.1 D7.2@5357.13,2636.1 ; LED7.1@5397.83,2724.49 5397.83,2646.3 5384.13,2646.3 5373.94,2636.1 D7.2@5357.13,2636.1 ; U11.8@5566.54,2670 5523.46,2670 5470.04,2616.57 5461.18,2616.57 5448.46,2603.86 5448.46,2595 5398.23,2595 D7.2@5357.13,2636.1 ; TP37.1@5610,3055 U12.6@5610,3165
SOL_EN_6: D8.2 LED9.1 R55.2 TP42.1 U12.7 U14.8 | length 1066.9
  Top Layer w8: TP42.1@5660,3065 TP42.1@5660,3055 5748.83,2966.17 5869.84,2966.17 5935,2901.01 5935,2710 5960.67,2684.33 LED9.1@5960.67,2669.49
  Top Layer w10: TP42.1@5660,3065 U12.7@5660,3165 ; LED9.1@5959.69,2669.49 5946.97,2656.77 5946.97,2608.11 5919.96,2581.1 5956.3,2544.76 6007.2,2544.76 6011.3,2548.86 6043.86,2548.86 6058.31,2563.31 6058.31,2593.31 6080,2615 U14.8@6129.37,2615
SOL_EN_7: D9.2 LED8.1 R56.2 TP43.1 U12.8 U15.8 | length 1582.5
  Top Layer w8: TP43.1@5710,3055 5710,3049.57 5775.4,2984.17 5877.29,2984.17 5926.47,2935 6405.25,2935 6492.3,2847.95 6492.3,2642.77 6492.23,2642.7 6492.23,2642.49 6516.88,2614.94 LED8.1@6516.85,2614.49
  Top Layer w10: TP43.1@5710,3055 U12.8@5710,3165 ; LED8.1@6516.85,2614.49 6504.13,2601.77 6504.13,2553.11 6477.13,2526.1 6513.46,2489.76 6565.35,2489.76 6635.59,2560 U15.8@6686.54,2560
SOL_FLT_0: R19.2 U6.5 U12.28 | length 3566.7
  Top Layer w7: U12.28@5360,3525 5360,3615.96 5411.04,3667 6239.43,3667 6449.5,3877.07 6449.5,4173.38 6382.88,4240 6295,4240 v1(6225,4310)
  Top Layer w8: v1(4955,4515) 4955,4725
  Top Layer w10: U6.5@4866.3,4750 4930.51,4750 4946.14,4765.63 4955,4765.63 4955,4725
  Bottom Layer w8: v1(4955,4515) 4984,4486 5533.5,4486 5558.5,4461 5763.75,4461 5777.75,4447 5912.09,4447 5941.59,4417.5 6117.5,4417.5 v1(6225,4310)
SOL_FLT_1: R27.2 U8.5 U12.27 | length 2325.8
  Top Layer w7: U12.27@5410,3525 5410,3610 5450,3650 6246.47,3650 6466.5,3870.03 6466.5,4180.42 6388.92,4258 6342,4258 6060,4540 R27.2@6060,4655.63 6047.28,4642.91 5974.21,4642.91 U8.5@5971.3,4640
SOL_FLT_2: R35.2 U10.5 U12.26 | length 1280.5
  Top Layer w7: 4915,2912.17 4915,2992.16 4928.9,3006.06 5368.94,3006.06 v1(5395,2980)
  Top Layer w8: v1(5460,3425) 5460,3520 5462.5,3522.5 U12.26@5460,3525
  Top Layer w10: 4915,2912.17 4915,2877.2 4917.83,2874.37 4930.55,2887.09 4998.62,2887.09 U10.5@5001.54,2890
  Bottom Layer w8: v1@5395.15,2979.14 5395.15,3230.15 5460,3295 v1(5460,3425)
SOL_FLT_3: R20.2 U7.5 U12.25 | length 2881.9
  Top Layer w7: U12.25@5510,3525 5510,3615 5528,3633 6253.51,3633 6483.5,3862.99 6483.5,4187.46 6395.96,4275 6375,4275 v1(6330,4320)
  Top Layer w8: 5505,4665 5505,4589.3 5520,4574.3 v1(5520,4515)
  Top Layer w10: U7.5@5416.3,4690 5480.51,4690 5496.14,4705.63 R20.2@5505,4705.63 5505,4665
  Bottom Layer w8: v1(5520,4515) 5529.95,4515 5565.95,4479 5771.2,4479 5785.2,4465 5919.54,4465 5949.04,4435.5 6154.5,4435.5 6270,4320 v1(6330,4320)
SOL_FLT_4: R28.2 U9.5 U12.24 | length 2295.6
  Top Layer w7: U12.24@5560,3525 5560,3605 5571,3616 6260.55,3616 6500.5,3855.95 6500.5,4194.5 6361.5,4333.5 6361.5,4406.5 6393.5,4438.5 6491.5,4438.5 6515,4415 6598.6,4415 6622.35,4438.74 6622.35,4597.98 R28.2@6630,4605.63 6621.14,4605.63 6604.31,4588.8 6550.09,4588.8 U9.5@6541.3,4580
SOL_FLT_5: R36.2 U11.5 U12.23 | length 861.1
  Top Layer w8: v1(5610,3405) U12.23@5610,3525
  Top Layer w10: v1@5477.83,2845 5475,2842.17 5475,2812.2 R36.2@5482.83,2804.37 5495.55,2817.09 5563.62,2817.09 U11.5@5566.54,2820
  Bottom Layer w8: v1(5475,2855) 5475,3180 5610,3315 v1(5610,3405)
SOL_FLT_6: R53.2 U12.22 U14.5 | length 1033.8
  Top Layer w7: R53.2@6040.67,2734.37 6054.31,2748.01 6054.31,2758.49 6062.91,2767.09
  Top Layer w8: v1(5660,3445) U12.22@5660,3525
  Top Layer w10: v1@6040.67,2790 6040.67,2789.33 6062.91,2767.09 6127.28,2767.09 U14.5@6129.37,2765
  Bottom Layer w8: v1(5660,3445) 5660,3270 6040,2890 v1(6040,2790)
SOL_FLT_7: R54.2 U12.21 U15.5 | length 1502
  Top Layer w7: v1(6060,2970) 6395,2970 6538.94,2826.06 6583.94,2826.06 6590,2820
  Top Layer w8: v1(5710,3410) U12.21@5710,3525
  Top Layer w10: 6590,2820 6597.83,2812.17 R54.2@6597.83,2704.37 6603.46,2710 U15.5@6686.54,2710
  Bottom Layer w7: v1(5710,3410) 5775,3345 5775,3255 v1(6060,2970)
TELEM_I_5V: C15.1 R13.2 TP21.1 U19.13 | length 1760.6
  Top Layer w7: v1(3320,3708.5) 3320,3630 3275,3585 3275,3375 3345,3305 v1(3345,3110) ; v1(3615.1,3677.9) 3615.1,3585.21 U19.13@3617.2,3583.11
  Top Layer w8: v1(3015,2860) TP21.1@3015,2810 3080.87,2810 R13.2@3085.51,2814.65 ; R13.2@3084.02,2814.02 R13.2@3085,2815
  Top Layer w10: C15.1@3085.51,2742.4 R13.2@3085.51,2814.65
  Bottom Layer w7: v1(3320,3708.5) 3337,3725.5 3567.5,3725.5 v1(3615.1,3677.9)
  Bottom Layer w8: v1(3015,2860) 3135,2860 3240,2965 3240,3080 3270,3110 v1(3345,3110)
TELEM_I_7V: C92.1 R152.2 TP91.1 U19.11 | length 2064.6
  Top Layer w7: v1(2120,3605) 2125,3600 TP91.1@2315,3600 2337.4,3600 2355.94,3618.54 2355.94,3625.43 2373.11,3642.6 C92.1@2380,3642.6 ; v1(3640,3525) 3665,3525 3668.39,3528.39 U19.11@3668.39,3583.11
  Top Layer w8: U19.11@3668.39,3583.11 U19.11@3671.12,3585.84
  Top Layer w10: C92.1@2380,3642.6 2392.6,3630 R152.2@2465.63,3630
  Bottom Layer w7: v1(2120,3605) 3335,3605 3393.5,3663.5 3440.54,3663.5 3579.04,3525 v1(3640,3525)
TELEM_I_BUSV: TP13.1 U1.5 U19.15 | length 2297.6
  Top Layer w7: v1(1760,3205) 1795,3205 1796.69,3203.31 1796.69,3176.03 TP13.1@1798.86,3173.86
  Top Layer w8: v1(3491,3680) 3495.21,3675.79 3505.94,3675.79 3563.29,3618.44 3563.29,3585.84 U19.15@3566.02,3583.11
  Top Layer w10: U1.5@1797.72,3130 1797.72,3172.72 TP13.1@1798.86,3173.86
  Bottom Layer w7: v1(1760,3205) 1740,3225 1740,3366.92 2006.58,3633.5 3339.46,3633.5 3386.46,3680.5 3490.5,3680.5 v1(3491,3680)
TELEM_PS_0: C45.1 R73.2 TP50.1 U17.16 | length 837
  Top Layer w8: R73.2@3188.57,4136.26 3275,4136.26 TP50.1@3275,4065 3345,3995 v1(3490,3995) ; v1@3830,3930 v1(3830.22,3930.22) 3830.43,3930.43 U17.16@3830.43,3998.11
  Bottom Layer w8: v1(3490,3995) 3635,3995 3699.78,3930.22 v1(3830.22,3930.22)
TELEM_PS_1: C46.1 R74.2 TP51.1 U17.15 | length 811.1
  Top Layer w8: C46.1@3362.86,4138.23 3364.83,4136.26 R74.2@3447.86,4136.26 3452.86,4131.26 TP51.1@3452.86,4060.63 3494.37,4060.63 3505,4050 v1(3550,4050) ; U17.15@3856.02,3998.11 3856.02,3953.98 3890,3920 v1(3920,3920)
  Bottom Layer w8: v1(3550,4050) 3770,4050 3900,3920 v1(3920,3920)
TELEM_PS_2: C47.1 R75.2 TP52.1 U17.14 | length 2242.7
  Top Layer w7: v1(3260,4610) 3160,4610 3131.5,4581.5 3131.5,4105.91 3287.91,3949.5 3534.5,3949.5 3631,4046 ; v1(3755,4695) TP52.1@3755,4740
  Top Layer w8: 3631,4046 3866.32,4046 3878.88,4033.44 3878.88,4000.84 U17.14@3881.61,3998.11 ; R75.2@3676.97,4820 3677.4,4819.57 C47.1@3677.4,4740 TP52.1@3755,4740
  Bottom Layer w7: v1(3260,4610) 3670,4610 v1(3755,4695)
TELEM_PS_3: C48.1 R76.2 TP53.1 U17.13 | length 2262.8
  Top Layer w7: v1(3260,4555) 3175,4555 3148.5,4528.5 3148.5,4112.95 3294.95,3966.5 3506.8,3966.5 3604.3,4064 3873.91,4064 3904.47,4033.44 3904.47,4000.84 U17.13@3907.2,3998.11 ; C48.1@3607.6,4560 3607.6,4566.89 3624.77,4584.06 3631.66,4584.06 3664.52,4616.93 3669.52,4616.93 3683.74,4631.14 R76.2@3683.74,4631.65 ; R76.2@3683.74,4640 R76.2@3683.74,4631.65 ; TP53.1@3780,4650 3775.6,4645.6 3775.6,4635 3775,4634.4 v1(3775,4590) 3733.74,4590 3706.31,4617.43 3697.96,4617.43 R76.2@3683.74,4631.65
  Bottom Layer w7: v1(3260,4555) 3295,4590 v1(3775,4590)
TELEM_PS_4: C49.1 R93.2 U17.12 | length 528.3
  Top Layer w7: R93.2@3605,4121.41 3619.22,4135.63 R93.2@3625,4135.63
  Top Layer w8: C49.1@3540,4137.6 3541.97,4135.63 R93.2@3619.22,4135.63 ; R93.2@3625,4135.63 3633.6,4135.63 3633.6,4106.4 3658,4082 3918,4082 3932.8,4067.2 U17.12@3932.8,3998.11
TELEM_PS_5: C50.1 R94.2 U17.11 | length 350
  Top Layer w8: R94.2@3710,4135.63 3793.03,4135.63 C50.1@3795,4137.6 3807.4,4137.6 3845,4100 3930,4100 3958.39,4071.61 U17.11@3958.39,3998.11
TELEM_PS_6: C51.1 R95.2 TP60.1 U17.10 | length 275.1
  Top Layer w7: C51.1@3880,4212.4 3897.17,4195.23 3904.77,4195.23 3942.11,4157.89 3942.11,4149.85 3956.33,4135.63 R95.2@3965,4135.63
  Top Layer w8: C51.1@3880,4212.4 C51.1@3888.23,4212.4 ; R95.2@3965,4135.63 3983.98,4116.65 U17.10@3983.98,3998.11
TELEM_PS_7: C52.1 R96.2 TP61.1 U17.9 | length 541.4
  Top Layer w7: R96.2@4050,4135.63 4059.37,4145 4070,4145 4095,4170 4185,4170 4195,4180 4195,4298.2 4204.4,4307.6 C52.1@4130,4307.6 C52.1@4142.6,4295
  Top Layer w8: U17.9@4009.57,3998.11 4009.57,4069.57 4050,4110 R96.2@4050,4135.63
TELEM_RETRO_0: R163.1 R164.1 U13.3 U22.3.13 | length 3272.8
  Top Layer w8: U13.3@3913.74,2582.76 R163.1@3987.33,2582.76 ; R163.1@4000,2574.37 3991.61,2582.76 R163.1@3987.33,2582.76 ; v1(5125,3845) 5090.88,3810.88 5090.88,3573.02 5254,3409.9 5254,3177.99 5175.74,3099.73 4844.12,3099.73 4730.13,2985.74 4730.13,2855.13 4715,2840 4134.94,2840 3969.37,2674.43 R164.1@3969.37,2665.57 3982,2652.94 3982,2588.09 R163.1@3987.33,2582.76
  Bottom Layer w7: v1(5125,3845) 5125,3855 5725,3855 U22.3.13@5835,3745
TELEM_RETRO_1: R166.1 R167.1 U22.3.12 U27.3 | length 2682.7
  Top Layer w8: U27.3@4258.74,2582.76 R166.1@4331.61,2582.76 ; R166.1@4340,2574.37 R166.1@4331.61,2582.76 ; v1(5185,3815) 5185,3523.99 5272,3436.99 5272,3170.53 5183.19,3081.73 4851.58,3081.73 4748.13,2978.28 4748.13,2847.68 4722.46,2822 4461.94,2822 4314.37,2674.43 R167.1@4314.37,2665.57 4328.09,2651.86 4328.09,2586.28 R166.1@4331.61,2582.76
  Bottom Layer w7: 5655,3815 5665,3815 U22.3.12@5735,3745
  Bottom Layer w8: v1(5185,3815) 5655,3815
TELEM_THERM_0: C53.1 R105.2 TP63.1 U19.10 | length 2212.9
  Top Layer w7: U19.10@3693.98,3583.11 3697.21,3586.34 3697.21,3642.21 v1(3735,3680) ; 3985,4595 4007.25,4572.75 4178.15,4572.75 4190,4560.9 4190,4435 4211.5,4413.5 4211.81,4413.5 4237,4388.31 4237,4043 4270,4010 v1(4270,3690)
  Top Layer w8: C53.1@3840,4612.4 3846.89,4612.4 3876.64,4582.65 3972.65,4582.65 3985,4595 3985,4713.23 3933.86,4764.37 R105.2@3925,4764.37 TP63.1@3925,4830
  Bottom Layer w7: v1(3735,3680) 3934.77,3680 3945.73,3669.04 4249.04,3669.04 v1(4270,3690)
TELEM_THERM_1: C54.1 R106.2 TP65.1 U19.9 | length 1951.1
  Top Layer w7: U19.9@3719.57,3583.11 3719.57,3603.78 v1(3765.79,3650) ; C54.1@4145,4613.39 4151.89,4613.39 4169.06,4596.22 4169.06,4593.85 4173.16,4589.75 4185.19,4589.75 4207,4567.94 4207,4448 4254,4401 4254,4050.04 4305,3999.04 v1(4305,3640) ; R106.2@4145,4685.63 4152.34,4692.97 4177.97,4692.97 4185.07,4700.07 4185.07,4824.93 TP65.1@4185,4825
  Top Layer w8: C54.1@4145,4613.39 R106.2@4145,4685.63
  Bottom Layer w7: v1(3765.79,3650) 3910,3650 3953.5,3606.5 4271.5,3606.5 v1(4305,3640)
TELEM_V_5V: C18.1 R16.2 TP22.1 U19.14 | length 3443.3
  Top Layer w7: v1(1735,2475) 1787.6,2475 1790.63,2478.03 C18.1@1792.6,2480
  Top Layer w8: v1(3552,3680) 3591.61,3640.39 U19.14@3591.61,3583.11
  Top Layer w10: TP22.1@1580,2280 1665.63,2280 1769.06,2383.43 1777.91,2383.43 1790.63,2396.14 R16.2@1790.63,2405 C18.1@1790.63,2478.03
  Bottom Layer w7: v1(1735,2475) 1667,2543 1667,3317.96 1999.54,3650.5 3332.42,3650.5 3390.42,3708.5 3523.5,3708.5 v1(3552,3680)
TELEM_V_7V: C94.1 R155.2 TP92.1 U19.12 | length 2860.9
  Top Layer w7: R155.2@2169.37,2330 C94.1@2242.6,2330 2242.6,2382.6 2310,2450 TP92.1@2310,2470 v1(2310,2695)
  Top Layer w8: U19.12@3642.8,3583.11 3642.8,3648.8 v1(3674,3680)
  Bottom Layer w7: v1(2310,2695) 2355,2740 2355,3290 2633.5,3568.5 3511.5,3568.5 3584.3,3495.7 3675.7,3495.7 3700,3520
  Bottom Layer w8: v1(3674,3680) 3700,3654 3700,3520
TELEM_V_BUSV: C3.1 R5.2 TP14.1 U19.16 | length 2263.7
  Top Layer w7: C3.1@2230,2623.9 2236.89,2623.9 2254.06,2641.07 2254.06,2693.75 2323.5,2763.2 2323.5,2836.5 v1(2320,2840)
  Top Layer w8: v1@3417.79,3642.21 v1(3425,3635) 3509.21,3635 3540.43,3603.78 U19.16@3540.43,3583.11
  Top Layer w10: R5.2@2144.37,2705 2156.87,2692.5 TP14.1@2217.5,2692.5 2217.5,2636.4 C3.1@2230,2623.9
  Bottom Layer w7: v1(2320,2840) 2320,3280 2625.5,3585.5 3375.5,3585.5 v1(3425,3635)
TEST_OVERRIDE: P14.2 TP69.1 U20.2 | length 306.7
  Top Layer w7: P14.2@5950,5365 6040,5455 TP69.1@6070,5455 6074.4,5450.6 6085,5450.6 6085.6,5450 6135,5450 6145.43,5439.57 U20.2@6213.07,5439.57
THERM_OUT_0: P10.3 R103.1 R105.1 TH1.2 TP62.1 | length 2196.4
  Top Layer w7: P10.3@3707,5305 3767,5245 3920,5245 3955,5210 4235,5210 4265,5240 4265,5305 4275.07,5315.07 4327.68,5315.07 4362.5,5280.25 4362.5,4935.58 4303.84,4876.93 3756.93,4876.93 TP62.1@3730,4850 3730,4790 3750,4770 3785,4770 3790,4765 3790,4725 3825,4690 3835.63,4690 R103.1@3840,4685.63 R105.1@3925,4685.63 TH1.2@3925,4614.37
THERM_OUT_1: P10.4 R104.1 R106.1 TH2.2 TP64.1 | length 1485.1
  Top Layer w7: P10.4@3825,5305 4070.8,5305 4091.87,5326.07 4130.27,5326.07 4136.28,5332.07 4334.72,5332.07 4379.5,5287.29 4379.5,4928.54 4310.88,4859.93 4164.93,4859.93 TP64.1@4140,4835
  Top Layer w8: TH2.2@4060,4614.37 R104.1@4060,4685.63 4068.86,4685.63 4122.43,4739.2 4122.43,4750.65 4136.14,4764.37 R106.1@4145,4764.37 ; TP64.1@4140,4835 TP64.1@4140,4825 4140,4769.37 R106.1@4141.87,4767.5
UART_RXD_RS232: P2.3 U21.12 | length 7497.8
  Top Layer w8: v1(1165,1990) 1264.5,1890.5 3416.54,1890.5 3695,2168.96 3695,2754.54 3732.73,2792.27 3847.73,2792.27 v1(3850,2790) ; v1(4535,3310) U21.12@4535,3462.83
  Bottom Layer w8: v1(1165,1990) 1074,2081 1074,4134.46 1377,4437.46 1377,4609 P2.3@1455,4687 ; v1(3850,2790) 4200,2790 4535,3125 v1(4535,3310)
UART_RXD_TTL: U21.13 U22.3.2 | length 661.9
  Top Layer w8: U21.13@4485,3462.83 4485,3765 4565,3845 4695,3845 4735,3805 U22.3.2@4735,3745
UART_TXD_RS232: P2.2 U21.14 | length 7268
  Top Layer w8: v1(1227.73,2027.73) 1346.96,1908.5 3398.5,1908.5 3675,2185 3675,2785 3715,2825 v1(3775,2825) ; v1(4435,3305) U21.14@4435,3462.83
  Bottom Layer w8: v1(1227.73,2027.73) 1152.73,2027.73 1092,2088.46 1092,4127 1395,4430 1395,4509 P2.2@1455,4569 ; v1(3775,2825) 4180,2825 4435,3080 v1(4435,3305)
UART_TXD_TTL: U21.11 U22.3.1 | length 302.9
  Top Layer w8: U21.11@4585,3462.83 4585,3695 U22.3.1@4635,3745
V-4P5VRef_1: C57.1 C58.1 TP66.1 U16.6 U17.1
V-4P5VRef_2: C63.1 C64.1 TP67.1 U18.6 U19.1
V-BUS: F1.1 P1.1 P1.2 P1.3 P1.4 P16.1 TP1.1 TP9.1 | length 6669.6
  Top Layer w7: v1(5890,1910) 5890,2155 5955,2220 P16.1@6125,2220
  Bottom Layer w7: v1(1235,3380) 1126.5,3271.5 1126.5,2107.54 1159.04,2075 1340,2075 1505,1910 v1(5890,1910)